# Altium PCB 擂台机器人V1.0.PcbDoc
Units mm, origin at the board's own origin, x right, y up, seen from the top; angles counter-clockwise.
Board outline 80.64 x 54.36 mm, 2 copper layers (Top Layer, Bottom Layer); 33 components, 45 nets, 211 pads, 4 vias.
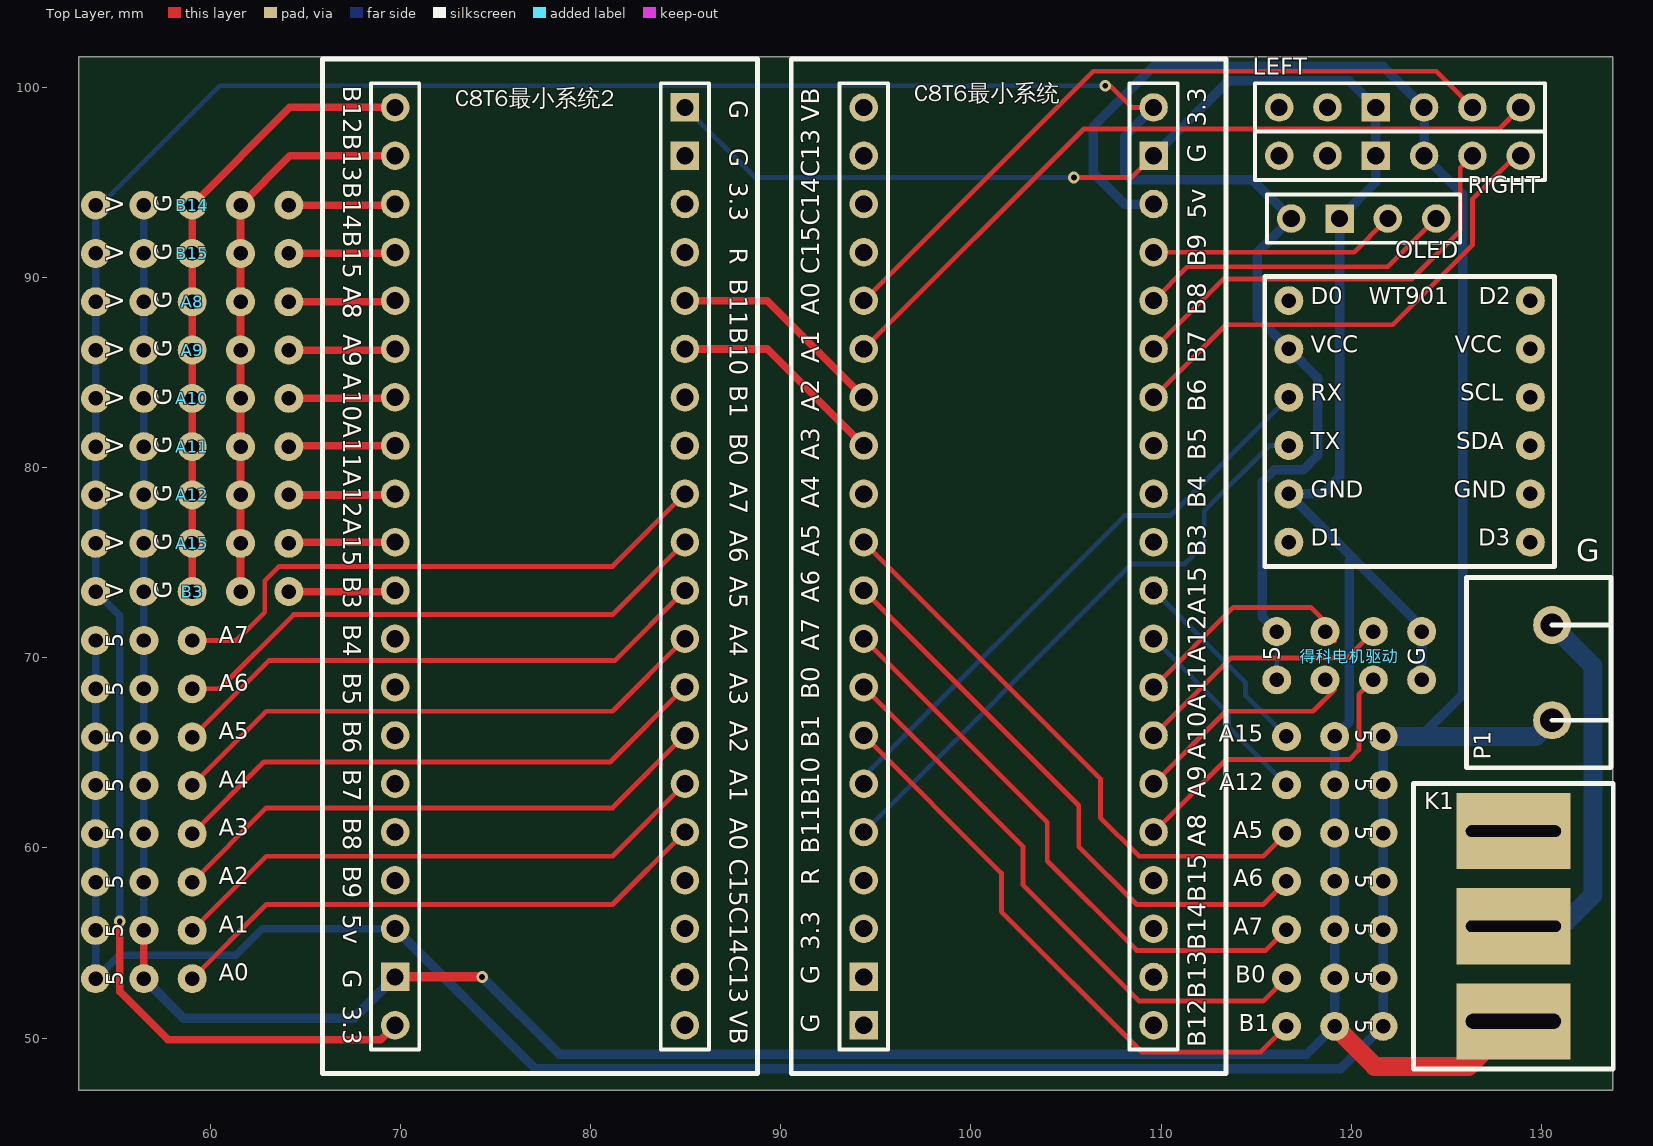
[diagram p0: Top Layer view]
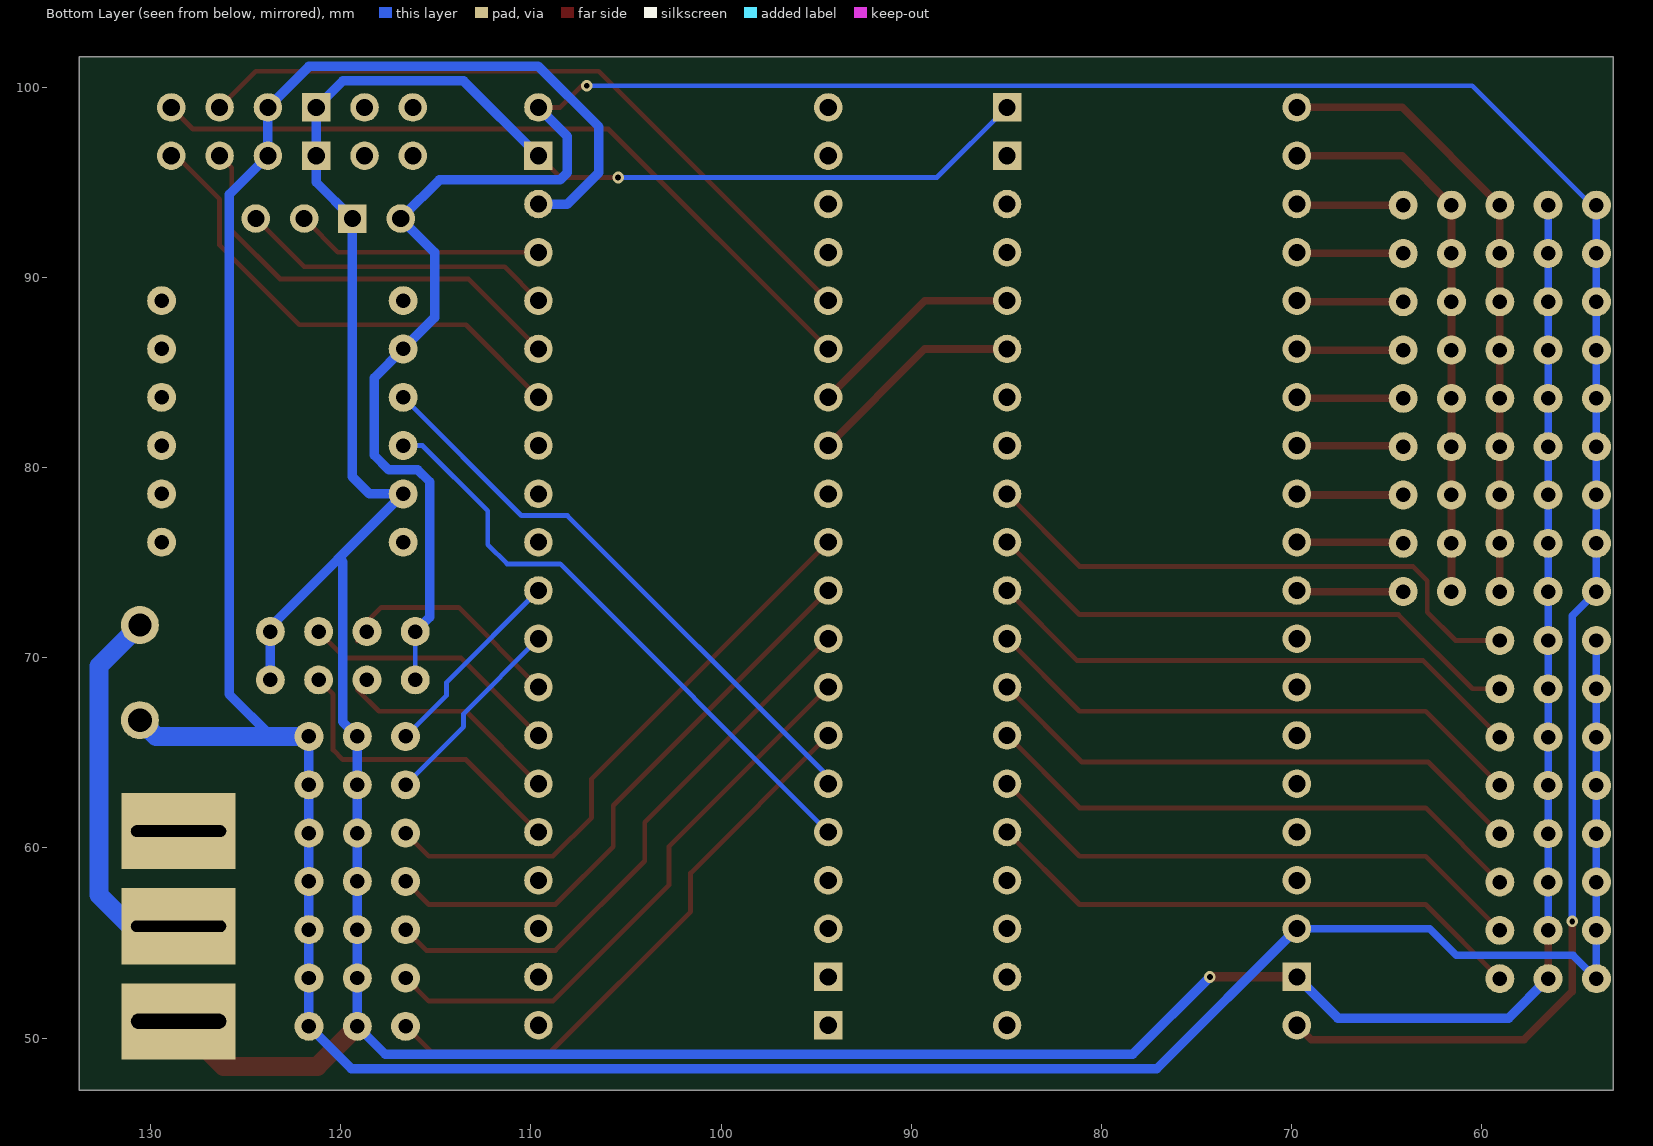
[diagram p1: Bottom Layer view, seen from below]

## Layer stack, top to bottom
Top Solder: solder mask 0.0102, Solder Resist, Dk 3.5
Top Layer: signal copper 0.0356
Dielectric 1: dielectric 0.32, FR-4, Dk 4.8
Bottom Layer: signal copper 0.0356
Bottom Solder: solder mask 0.0102, Solder Resist, Dk 3.5

## Board outline
53.086,47.244 133.731,47.244 133.731,101.6 53.086,101.6

## Design rules (kind name [scope] priority, off if disabled: settings)
Clearance [All] p1: gap=0.254 ignorepadtopadclearanceinfootprint=FALSE except(0: Arc-Hole Track-Hole SMDPad-Hole THPad-Hole Via-Hole Fill-Hole Poly-Hole Region-Hole Text-Hole)
PolygonConnect [All] p1: connectstyle=Relief reliefconductorwidth=0.254 reliefentries=4 polygonreliefangle="90 Angle" airgapwidth=0.254
RoutingVias [All] p1: holewidth=0.711 width=1.27 viastyle="Through Hole" minholewidth=0.711 minwidth=1.27 maxholewidth=0.711 maxwidth=1.27
SolderMaskExpansion [All] p1: expansion=0.102
Width [All] p1: maxlimit=1 minlimit=0.254 preferedwidth=0.254
30 further rules are at their usual default settings.

## Components (designator, comment, footprint, x,y, rotation, side; value= is the part's Value field where it differs from the comment)
A0 "通用3PIN接线端子" 通用3pin插座 56.515,53.124 r90 top (schematic designator A0_S)
A1 "通用3PIN接线端子" 通用3pin插座 56.515,55.664 r90 top (schematic designator A1_S)
A2 "通用3PIN接线端子" 通用3pin插座 56.515,58.204 r90 top (schematic designator A2_S)
A3 "通用3PIN接线端子" 通用3pin插座 56.515,60.744 r90 top (schematic designator A3_S)
A4 "通用3PIN接线端子" 通用3pin插座 56.515,63.284 r90 top (schematic designator A4_S)
A5 "通用3PIN接线端子" 通用3pin插座 56.515,65.824 r90 top (schematic designator A5_S)
A5 "通用3PIN接线端子" 通用3pin插座 119.126,60.779 r270 top
A6 "通用3PIN接线端子" 通用3pin插座 56.515,68.364 r90 top (schematic designator A6_S)
A6 "通用3PIN接线端子" 通用3pin插座 119.126,58.239 r270 top
A7 "通用3PIN接线端子" 通用3pin插座 56.515,70.904 r90 top (schematic designator A7_S)
A7 "通用3PIN接线端子" 通用3pin插座 119.126,55.699 r270 top
A8 "VL530LX" VL53L0X 59.055,88.715 r90 top
A9 "VL530LX" VL53L0X 59.055,86.175 r90 top
A10 "VL530LX" VL53L0X 59.055,83.635 r90 top
A11 "VL530LX" VL53L0X 59.055,81.095 r90 top
A12 "通用3PIN接线端子" 通用3pin插座 119.126,63.319 r270 top
A12 "VL530LX" VL53L0X 59.055,78.555 r90 top
A15 "通用3PIN接线端子" 通用3pin插座 119.126,65.859 r270 top
A15 "VL530LX" VL53L0X 59.055,76.015 r90 top
B0 "通用3PIN接线端子" 通用3pin插座 119.126,53.159 r270 top
B1 "通用3PIN接线端子" 通用3pin插座 119.126,50.619 r270 top
B3 "VL530LX" VL53L0X 59.055,73.475 r90 top
B14 "VL530LX" VL53L0X 59.055,93.795 r90 top
B15 "VL530LX" VL53L0X 59.055,91.255 r90 top
C8T6最小系统 "C8T6最小系统" C8t6 101.981,74.803 r90 top
C8T6最小系统2 "C8T6最小系统" C8t6 77.343,74.803 r270 top
K1 "开关" "船型开关 KCD1-11-2P" 128.524,55.88 r90 top
LEFT "左侧电机" HDR1X6 128.905,98.933 r180 top
OLED "OLED" HDR1X4 116.84,93.091 r0 top
P1 "Header 2" "接线端子 2" 130.556,69.215 r90 top
RIGHT "右侧电机" HDR1X6 128.905,96.393 r180 top
WT901 "WT901" WT901 123.063,82.423 r0 top
得科电机驱动 "得科电机驱动" 得科电机驱动 119.888,70.104 r90 top

## Footprints (in the part's own frame and the unit in brackets; to place one, negate y for a bottom-side part, rotate by r counter-clockwise, add the part's x,y. Pads: shape width x height; smd on the part's side, far side on the other; paste and mask are expansions set on the pad)
C8t6 [mm]
  round 1.5 hole 0.9: 1(-24.13,-7.62) 2(-21.59,-7.62) 3(-19.05,-7.62) 4(-16.51,-7.62) 5(-13.97,-7.62) 6(-11.43,-7.62) 7(-8.89,-7.62) 8(-6.35,-7.62) 9(-3.81,-7.62) 10(-1.27,-7.62) 11(1.27,-7.62) 12(3.81,-7.62) 13(6.35,-7.62) 14(8.89,-7.62) 15(11.43,-7.62) 16(13.97,-7.62) 17(16.51,-7.62) 18(19.05,-7.62) 20(24.13,-7.62) 21(24.13,7.62) 22(21.59,7.62) 23(19.05,7.62) 24(16.51,7.62) 25(13.97,7.62) 26(11.43,7.62) 27(8.89,7.62) 28(6.35,7.62) 29(3.81,7.62) 30(1.27,7.62) 31(-1.27,7.62) 32(-3.81,7.62) 33(-6.35,7.62) 34(-8.89,7.62) 35(-11.43,7.62) 36(-13.97,7.62) 37(-16.51,7.62) 38(-19.05,7.62)
  rect 1.5x1.5 hole 0.9: 19(21.59,-7.62) 39(-21.59,7.62) 40(-24.13,7.62)
  silkscreen extent -26.67,-11.43 26.67,11.43
HDR1X4 [mm] "Connector; Header; 4 Position"
  round 1.5 hole 0.9: 1(0,0) 3(5.08,0) 4(7.62,0)
  rect 1.5x1.5 hole 0.9: 2(2.54,0)
  silkscreen extent -1.27,-1.27 8.89,1.27
HDR1X6 [mm] "Connector; Header; 6 Position"
  round 1.5 hole 0.9: 1(0,0) 2(2.54,0) 3(5.08,0) 5(10.16,0) 6(12.7,0)
  rect 1.5x1.5 hole 0.9: 4(7.62,0)
  silkscreen extent -1.27,-1.27 13.97,1.27
VL53L0X [mil]
  round 60 hole 30: 1(0,200) 2(0,100) 3(0,0) 4(0,-100) 5(0,-200)
WT901 [mil]
  round 60 hole 30: 1(-250,250) 2(-250,150) 3(-250,50) 4(-250,-50) 5(-250,-150) 6(-250,-250) 7(250,250) 8(250,150) 9(250,50) 10(250,-50) 11(250,-150) 12(250,-250)
  silkscreen extent -300,-300 300,300
得科电机驱动 [mil]
  round 60 hole 30: 1(-50,150) 2(-50,50) 3(-50,-50) 4(-50,-150) 5(50,-150) 6(50,-50) 7(50,50) 8(50,150)
"接线端子 2" [mm]
  round 2 hole 1.25: 1(-2.5,0)
  round 2 hole 1.2: 2(2.5,0)
  silkscreen extent -5,-3.1 5,4.5
"船型开关 KCD1-11-2P" [mm]
  rect 4x6 hole 0.8 slot 5 at 90 deg: 1(-5,0)
  rect 4x6 hole 0.6 slot 5 at 90 deg: 2(0,0) 3(5,0)
  silkscreen extent -7.5,-5.25 7.5,5.25
通用3pin插座 [mil]
  round 60 hole 30: 1(0,100) 2(0,0) 3(0,-100)

## Part data
LEFT RIGHT: library part "Header 6", "Header, 6-Pin", LatestRevisionDate=17-Jul-2002, LatestRevisionNote="Re-released for DXP Platform.", Publisher="Altium Limited"
OLED: library part "Header 4", "Header, 4-Pin", LatestRevisionDate=17-Jul-2002, LatestRevisionNote="Re-released for DXP Platform.", Publisher="Altium Limited"
P1: "Header, 2-Pin", LatestRevisionDate=17-Jul-2002, LatestRevisionNote="Re-released for DXP Platform.", Publisher="Altium Limited"

## Via types
v1: diameter 0.61, hole 0.305, Top Layer to Bottom Layer, tented both sides, 4 vias

## Nets (pads, with @x,y where several pads share a name; then routed paths per layer and width w, separated by ;. In a path a pad name is that pad's centre, name@x,y a point inside that pad or via, vN(x,y) a via of type N, cw(c..) or ccw(c..) an arc to the next point about the centre after c; other vN are vias at no path point)
3.3V: A8.1 A9.1 A10.1 A11.1 A12.1@53.975,78.555 A15.1@53.975,76.015 B3.1 B14.1 B15.1 C8T6最小系统2.20 C8T6最小系统.20 OLED.1 WT901.2 得科电机驱动.1 得科电机驱动.8 | length 159
  Top Layer w0.254: v1(107.061,100.076) 107.315,100.076 108.458,98.933 C8T6最小系统.20
  Top Layer w0.4: v1(55.245,56.134) 55.245,52.451 57.785,49.911 68.961,49.911 C8T6最小系统2.20
  Bottom Layer w0.254: B14.1 54.229,93.795 60.51,100.076 v1(107.061,100.076) ; 得科电机驱动.1 得科电机驱动.8
  Bottom Layer w0.4: B14.1 B15.1 A8.1 A9.1 A10.1 A11.1 53.975,78.555 53.975,76.015 B3.1 55.245,72.205 v1(55.245,56.134)
  Bottom Layer w0.5: C8T6最小系统.20 108.077,97.409 108.077,95.504 108.458,95.123 114.808,95.123 116.713,93.218 OLED.1@116.713,92.964 ; 得科电机驱动.8 115.316,72.136 115.316,79.248 115.951,79.883 117.475,79.883 118.237,80.645 118.237,84.709 WT901.2 115.062,87.884 115.062,91.313 OLED.1@116.713,92.964 ; OLED.1 OLED.1@116.713,92.964
5V: A0.1 A1.1 A2.1 A3.1 A4.1 A5.1 A6.1 A7.1 A12.1@121.666,63.319 A15.1@121.666,65.859 B0.1 B1.1 C8T6最小系统2.18 C8T6最小系统.18 LEFT.3 P1.1 RIGHT.3 | length 175.7
  Bottom Layer w0.4: A7.1@53.975,70.904 53.975,68.364 53.975,65.824 A4.1 A3.1 A2.1 A1.1 A0.1 55.207,54.356 61.341,54.356 62.738,55.753 C8T6最小系统2.18
  Bottom Layer w0.5: C8T6最小系统2.18 77.089,48.387 119.434,48.387 B1.1 B0.1 121.666,55.699 121.666,58.239 121.666,60.779 121.666,63.319 A15.1@121.666,65.859 ; C8T6最小系统.18 108.077,93.853 106.426,95.504 106.426,97.917 109.601,101.092 121.666,101.092 LEFT.3 RIGHT.3 125.857,94.361 125.857,68.072 123.644,65.859
  Bottom Layer w1: A15.1@121.666,65.859 123.644,65.859 129.7,65.859 P1.1
A0_S: A0.3 C8T6最小系统2.25 | length 29.1
  Top Layer w0.254: A0.3 62.954,57.023 81.153,57.023 C8T6最小系统2.25
A1_S: A1.3 C8T6最小系统2.26 | length 29.1
  Top Layer w0.254: A1.3 62.954,59.563 81.153,59.563 C8T6最小系统2.26
A2_M: C8T6最小系统2.36 C8T6最小系统.27 | length 11.5
  Top Layer w0.4: C8T6最小系统2.36 89.281,88.773 C8T6最小系统.27
A2_S: A2.3 C8T6最小系统2.27 | length 29.1
  Top Layer w0.254: A2.3 62.954,62.103 81.153,62.103 C8T6最小系统2.27
A3_M: C8T6最小系统2.35 C8T6最小系统.28 | length 11.5
  Top Layer w0.4: C8T6最小系统2.35 89.281,86.233 C8T6最小系统.28
A3_S: A3.3 C8T6最小系统2.28 | length 29.1
  Top Layer w0.254: A3.3 62.827,64.516 81.026,64.516 C8T6最小系统2.28
A4_S: A4.3 C8T6最小系统2.29 | length 29.1
  Top Layer w0.254: A4.3 62.954,67.183 81.153,67.183 C8T6最小系统2.29
A5_S: A5.3@59.055,65.824 C8T6最小系统2.30 | length 29.1
  Top Layer w0.254: A5.3@59.055,65.824 63.081,69.85 81.28,69.85 C8T6最小系统2.30
A6_S: A6.3@59.055,68.364 C8T6最小系统2.31 | length 29.1
  Top Layer w0.254: A6.3@59.055,68.364 60.49,68.364 64.389,72.263 81.153,72.263 C8T6最小系统2.31
A7_S: A7.3@59.055,70.904 C8T6最小系统2.32 | length 30.1
  Top Layer w0.254: A7.3@59.055,70.904 61.379,70.904 62.865,72.39 62.865,74.041 63.627,74.803 81.153,74.803 C8T6最小系统2.32
A8_S: A8.5 C8T6最小系统2.5 | length 5.6
  Top Layer w0.4: A8.5 69.665,88.715 C8T6最小系统2.5
A9_S: A9.5 C8T6最小系统2.6 | length 5.6
  Top Layer w0.4: A9.5 69.665,86.175 C8T6最小系统2.6
A10_S: A10.5 C8T6最小系统2.7 | length 5.6
  Top Layer w0.4: A10.5 69.665,83.635 C8T6最小系统2.7
A11_S: A11.5 C8T6最小系统2.8 | length 5.6
  Top Layer w0.4: A11.5 64.193,81.153 C8T6最小系统2.8
A12: A12.3@116.586,63.319 C8T6最小系统.9 | length 10.6
  Bottom Layer w0.254: C8T6最小系统.9 113.538,67.056 113.538,66.367 A12.3@116.586,63.319
A12_S: A12.5 C8T6最小系统2.9 | length 5.6
  Top Layer w0.4: A12.5 69.665,78.555 C8T6最小系统2.9
A15: A15.3@116.586,65.859 C8T6最小系统.10 | length 10.6
  Bottom Layer w0.254: C8T6最小系统.10 114.427,68.707 114.427,68.018 A15.3@116.586,65.859
A15_S: A15.5 C8T6最小系统2.10 | length 5.6
  Top Layer w0.4: A15.5 64.193,76.073 C8T6最小系统2.10
AIN5: A5.3@116.586,60.779 C8T6最小系统.30 | length 30.8
  Top Layer w0.254: C8T6最小系统.30 106.807,63.627 106.807,61.595 108.839,59.563 115.37,59.563 A5.3@116.586,60.779
AIN6: A6.3@116.586,58.239 C8T6最小系统.31 | length 30.8
  Top Layer w0.254: C8T6最小系统.31 105.664,62.23 105.664,60.071 108.712,57.023 115.37,57.023 A6.3@116.586,58.239
AIN7: A7.3@116.586,55.699 C8T6最小系统.32 | length 30.7
  Top Layer w0.254: C8T6最小系统.32 104.013,61.341 104.013,59.309 108.712,54.61 115.497,54.61 A7.3@116.586,55.699
B0: B0.3 C8T6最小系统.33 | length 30.8
  Top Layer w0.254: C8T6最小系统.33 102.743,60.071 102.743,58.039 108.839,51.943 115.37,51.943 B0.3
B1: B1.3 C8T6最小系统.34 | length 30.9
  Top Layer w0.254: C8T6最小系统.34 101.6,58.674 101.6,56.642 108.966,49.276 115.243,49.276 B1.3
B3_S: B3.5 C8T6最小系统2.11 | length 5.6
  Top Layer w0.4: B3.5 69.665,73.475 C8T6最小系统2.11
B14_S: B14.5 C8T6最小系统2.3 | length 5.6
  Top Layer w0.4: B14.5 69.665,93.795 C8T6最小系统2.3
B15_S: B15.5 C8T6最小系统2.4 | length 5.6
  Top Layer w0.4: B15.5 69.665,91.255 C8T6最小系统2.4
BAT: C8T6最小系统.29
EN1: C8T6最小系统.25 LEFT.2 | length 37.8
  Top Layer w0.254: C8T6最小系统.25 106.426,100.838 124.46,100.838 LEFT.2
EN2: C8T6最小系统.26 LEFT.1 | length 39.8
  Top Layer w0.254: C8T6最小系统.26 105.918,97.79 127.762,97.79 LEFT.1
EN3: C8T6最小系统.14 RIGHT.1 | length 26
  Top Layer w0.254: C8T6最小系统.14 113.411,87.503 122.174,87.503 126.365,91.694 126.365,94.107 128.651,96.393 RIGHT.1
EN4: C8T6最小系统.15 RIGHT.2 | length 22.9
  Top Layer w0.254: C8T6最小系统.15 113.284,89.916 123.19,89.916 125.73,92.456 125.73,95.758 RIGHT.2
GND: A0.2 A1.2 A2.2 A3.2 A4.2 A5.2 A6.2 A7.2 A8.2 A9.2 A10.2 A11.2 A12.2 A15.2 B0.2 B1.2 B3.2 B14.2 B15.2 C8T6最小系统2.19 C8T6最小系统2.40 C8T6最小系统.19 K1.1 LEFT.4 OLED.2 RIGHT.4 WT901.5 得科电机驱动.4 得科电机驱动.5 | length 219.8
  Top Layer w0.254: v1(105.41,95.25) 108.458,95.25 C8T6最小系统.19
  Top Layer w0.4: A0.2 A1.2
  Top Layer w0.5: C8T6最小系统2.19 v1(74.295,53.213)
  Top Layer w1: B1.2 121.231,48.514 126.158,48.514 K1.1
  Bottom Layer w0.254: C8T6最小系统2.40 88.646,95.25 v1(105.41,95.25)
  Bottom Layer w0.4: A1.2 A2.2 A3.2 A4.2 56.515,65.824 56.515,68.364 56.515,70.904 B3.2 56.515,76.015 56.515,78.555 A11.2 A10.2 A9.2 A8.2 B15.2 B14.2
  Bottom Layer w0.5: A0.2 58.585,51.054 67.564,51.054 C8T6最小系统2.19 ; v1(74.295,53.213) 78.359,49.149 117.656,49.149 B1.2 B0.2 119.126,55.699 119.126,58.239 119.126,60.779 119.126,63.319 119.126,65.859 119.888,66.621 119.888,75.057 ; C8T6最小系统.19 113.538,100.33 119.888,100.33 LEFT.4 RIGHT.4 121.285,94.996 OLED.2 119.38,79.502 118.491,78.613 WT901.5 123.698,71.628 得科电机驱动.5 得科电机驱动.4
IMUR: C8T6最小系统.36 WT901.4 | length 31.8
  Bottom Layer w0.254: C8T6最小系统.36 108.458,74.93 111.252,74.93 112.268,75.946 112.268,77.724 115.697,81.153 WT901.4
IMUT: C8T6最小系统.35 WT901.3 | length 31
  Bottom Layer w0.254: C8T6最小系统.35 94.361,63.754 108.077,77.47 110.49,77.47 WT901.3
NetK1_2: K1.2 P1.2 | length 20
  Bottom Layer w1: K1.2 131.064,55.88 132.715,57.531 132.715,69.556 P1.2
PWM1: C8T6最小系统.5 得科电机驱动.3 | length 16.6
  Top Layer w0.254: C8T6最小系统.5 113.411,64.643 119.888,64.643 120.396,65.151 120.396,68.072 得科电机驱动.3
PWM2: C8T6最小系统.6 得科电机驱动.2 | length 11.6
  Top Layer w0.254: C8T6最小系统.6 113.411,67.183 117.983,67.183 得科电机驱动.2@119.126,68.326
PWM3: C8T6最小系统.7 得科电机驱动.6 | length 13.8
  Top Layer w0.254: C8T6最小系统.7 113.665,69.977 119.761,69.977 得科电机驱动.6
PWM4: C8T6最小系统.8 得科电机驱动.7 | length 12.3
  Top Layer w0.254: C8T6最小系统.8 113.792,72.644 117.856,72.644 119.126,71.374 得科电机驱动.7@119.126,70.866
SCL: A8.3 A9.3 A10.3 A11.3 A12.3@59.055,78.555 A15.3@59.055,76.015 B3.3 B14.3 B15.3 C8T6最小系统2.1 | length 33.1
  Top Layer w0.4: B3.3 59.055,76.015 59.055,78.555 A11.3 A10.3 A9.3 A8.3 B15.3 B14.3 64.193,98.933 C8T6最小系统2.1
SCL_OLED: C8T6最小系统.17 OLED.3 | length 12.9
  Top Layer w0.254: C8T6最小系统.17 120.142,91.313 OLED.3@121.793,92.964
SDA: A8.4 A9.4 A10.4 A11.4 A12.4 A15.4 B3.4 B14.4 B15.4 C8T6最小系统2.2 | length 29.5
  Top Layer w0.4: B3.4 A15.4 A12.4 A11.4 A10.4 A9.4 A8.4 B15.4 B14.4 64.193,96.393 C8T6最小系统2.2
SDA_OLED: C8T6最小系统.16 OLED.4 | length 16.5
  Top Layer w0.254: C8T6最小系统.16 111.379,90.551 121.92,90.551 OLED.4@124.333,92.964
pads on no net: C8T6最小系统2.12 C8T6最小系统2.13 C8T6最小系统2.14 C8T6最小系统2.15 C8T6最小系统2.16 C8T6最小系统2.17 C8T6最小系统2.21 C8T6最小系统2.22 C8T6最小系统2.23 C8T6最小系统2.24 C8T6最小系统2.33 C8T6最小系统2.34 C8T6最小系统2.37 C8T6最小系统2.38 C8T6最小系统2.39 C8T6最小系统.1 C8T6最小系统.2 C8T6最小系统.3 C8T6最小系统.4 C8T6最小系统.11 C8T6最小系统.12 C8T6最小系统.13 C8T6最小系统.21 C8T6最小系统.22 C8T6最小系统.23 C8T6最小系统.24 C8T6最小系统.37 C8T6最小系统.38 C8T6最小系统.39 C8T6最小系统.40 K1.3 LEFT.5 LEFT.6 RIGHT.5 RIGHT.6 WT901.1 WT901.6 WT901.7 WT901.8 WT901.9 WT901.10 WT901.11 WT901.12

## Silkscreen, mask and mechanical layers (free items; w line width, h text height)
Top Overlay:
  text "G" at 131.826,74.676 h2
Mechanical 1:
  the board outline again, w0.254

## Text inside footprints (layer, text, board x,y; h text height)
A0: Top Overlay "5" at 55.753,52.743 h1.52 r90
A1: Top Overlay "5" at 55.753,55.283 h1.52 r90
A2: Top Overlay "5" at 55.753,57.823 h1.52 r90
A3: Top Overlay "5" at 55.753,60.363 h1.52 r90
A4: Top Overlay "5" at 55.753,62.903 h1.52 r90
A5: Top Overlay "5" at 55.753,65.443 h1.52 r90
A5: Top Overlay "5" at 119.888,61.16 h1.52 r270
A6: Top Overlay "5" at 55.753,67.983 h1.52 r90
A6: Top Overlay "5" at 119.888,58.62 h1.52 r270
A7: Top Overlay "5" at 55.753,70.523 h1.52 r90
A7: Top Overlay "5" at 119.888,56.08 h1.52 r270
A8: Top Overlay "G" at 58.293,88.334 h1.52 r90; Top Overlay "V" at 55.753,88.334 h1.52 r90
A9: Top Overlay "G" at 58.293,85.794 h1.52 r90; Top Overlay "V" at 55.753,85.794 h1.52 r90
A10: Top Overlay "G" at 58.293,83.254 h1.52 r90; Top Overlay "V" at 55.753,83.254 h1.52 r90
A11: Top Overlay "G" at 58.293,80.714 h1.52 r90; Top Overlay "V" at 55.753,80.714 h1.52 r90
A12: Top Overlay "5" at 119.888,63.7 h1.52 r270
A12: Top Overlay "G" at 58.293,78.174 h1.52 r90; Top Overlay "V" at 55.753,78.174 h1.52 r90
A15: Top Overlay "5" at 119.888,66.24 h1.52 r270
A15: Top Overlay "G" at 58.293,75.634 h1.52 r90; Top Overlay "V" at 55.753,75.634 h1.52 r90
B0: Top Overlay "5" at 119.888,53.54 h1.52 r270
B1: Top Overlay "5" at 119.888,51 h1.52 r270
B3: Top Overlay "G" at 58.293,73.094 h1.52 r90; Top Overlay "V" at 55.753,73.094 h1.52 r90
B14: Top Overlay "G" at 58.293,93.414 h1.52 r90; Top Overlay "V" at 55.753,93.414 h1.52 r90
B15: Top Overlay "G" at 58.293,90.874 h1.52 r90; Top Overlay "V" at 55.753,90.874 h1.52 r90
C8T6最小系统: Top Overlay "G" at 92.329,50.292 h1.6 r90; Top Overlay "G" at 92.329,52.832 h1.6 r90; Top Overlay "3.3" at 92.329,54.61 h1.6 r90; Top Overlay "R" at 92.329,58.039 h1.6 r90; Top Overlay "A4" at 92.329,77.851 h1.6 r90; Top Overlay "A3" at 92.329,80.391 h1.6 r90; Top Overlay "A2" at 92.329,82.931 h1.6 r90; Top Overlay "A1" at 92.329,85.471 h1.6 r90; Top Overlay "A0" at 92.329,88.011 h1.6 r90; Top Overlay "C15" at 92.329,90.17 h1.6 r90; Top Overlay "C14" at 92.329,92.71 h1.6 r90; Top Overlay "C13" at 92.329,95.25 h1.6 r90; Top Overlay "VB" at 92.329,98.171 h1.6 r90; Top Overlay "B11" at 92.329,59.69 h1.6 r90; Top Overlay "B10" at 92.329,62.23 h1.6 r90; Top Overlay "B1" at 92.329,65.278 h1.6 r90; Top Overlay "B0" at 92.329,67.818 h1.6 r90; Top Overlay "A7" at 92.329,70.358 h1.6 r90; Top Overlay "A6" at 92.329,72.898 h1.6 r90; Top Overlay "A5" at 92.329,75.311 h1.6 r90; Top Overlay "B3" at 112.649,75.311 h1.6 r90; Top Overlay "A15" at 112.649,72.263 h1.6 r90; Top Overlay "A12" at 112.649,69.723 h1.6 r90; Top Overlay "A11" at 112.649,67.183 h1.6 r90; Top Overlay "A10" at 112.649,64.643 h1.6 r90; Top Overlay "A9" at 112.649,62.611 h1.6 r90; Top Overlay "A8" at 112.649,60.071 h1.6 r90; Top Overlay "3.3" at 112.649,97.917 h1.6 r90; Top Overlay "G" at 112.649,96.012 h1.6 r90; Top Overlay "5v" at 112.649,93.091 h1.6 r90; Top Overlay "B9" at 112.649,90.551 h1.6 r90; Top Overlay "B8" at 112.649,88.011 h1.6 r90; Top Overlay "B7" at 112.649,85.471 h1.6 r90; Top Overlay "B6" at 112.649,82.931 h1.6 r90; Top Overlay "B5" at 112.649,80.391 h1.6 r90; Top Overlay "B4" at 112.649,77.851 h1.6 r90; Top Overlay "A8" at 112.649,60.071 h1.6 r90; Top Overlay "B15" at 112.649,57.15 h1.6 r90; Top Overlay "B14" at 112.649,54.61 h1.6 r90; Top Overlay "B13" at 112.649,52.07 h1.6 r90; Top Overlay "B12" at 112.649,49.53 h1.6 r90
C8T6最小系统2: Top Overlay "G" at 86.995,99.314 h1.6 r270; Top Overlay "G" at 86.995,96.774 h1.6 r270; Top Overlay "3.3" at 86.995,94.996 h1.6 r270; Top Overlay "R" at 86.995,91.567 h1.6 r270; Top Overlay "A4" at 86.995,71.755 h1.6 r270; Top Overlay "A3" at 86.995,69.215 h1.6 r270; Top Overlay "A2" at 86.995,66.675 h1.6 r270; Top Overlay "A1" at 86.995,64.135 h1.6 r270; Top Overlay "A0" at 86.995,61.595 h1.6 r270; Top Overlay "C15" at 86.995,59.436 h1.6 r270; Top Overlay "C14" at 86.995,56.896 h1.6 r270; Top Overlay "C13" at 86.995,54.356 h1.6 r270; Top Overlay "VB" at 86.995,51.435 h1.6 r270; Top Overlay "B11" at 86.995,89.916 h1.6 r270; Top Overlay "B10" at 86.995,87.376 h1.6 r270; Top Overlay "B1" at 86.995,84.328 h1.6 r270; Top Overlay "B0" at 86.995,81.788 h1.6 r270; Top Overlay "A7" at 86.995,79.248 h1.6 r270; Top Overlay "A6" at 86.995,76.708 h1.6 r270; Top Overlay "A5" at 86.995,74.295 h1.6 r270; Top Overlay "B3" at 66.675,74.295 h1.6 r270; Top Overlay "A15" at 66.675,77.343 h1.6 r270; Top Overlay "A12" at 66.675,79.883 h1.6 r270; Top Overlay "A11" at 66.675,82.423 h1.6 r270; Top Overlay "A10" at 66.675,84.963 h1.6 r270; Top Overlay "A9" at 66.675,86.995 h1.6 r270; Top Overlay "A8" at 66.675,89.535 h1.6 r270; Top Overlay "3.3" at 66.675,51.689 h1.6 r270; Top Overlay "G" at 66.675,53.594 h1.6 r270; Top Overlay "5v" at 66.675,56.515 h1.6 r270; Top Overlay "B9" at 66.675,59.055 h1.6 r270; Top Overlay "B8" at 66.675,61.595 h1.6 r270; Top Overlay "B7" at 66.675,64.135 h1.6 r270; Top Overlay "B6" at 66.675,66.675 h1.6 r270; Top Overlay "B5" at 66.675,69.215 h1.6 r270; Top Overlay "B4" at 66.675,71.755 h1.6 r270; Top Overlay "A8" at 66.675,89.535 h1.6 r270; Top Overlay "B15" at 66.675,92.456 h1.6 r270; Top Overlay "B14" at 66.675,94.996 h1.6 r270; Top Overlay "B13" at 66.675,97.536 h1.6 r270; Top Overlay "B12" at 66.675,100.076 h1.6 r270
WT901: Top Overlay "D1" at 117.856,75.565 h1.52; Top Overlay "GND" at 117.856,78.105 h1.52; Top Overlay "TX" at 117.856,80.645 h1.52; Top Overlay "RX" at 117.856,83.185 h1.52; Top Overlay "VCC" at 117.856,85.725 h1.52; Top Overlay "D0" at 117.856,88.265 h1.52; Top Overlay "D3" at 126.681,75.565 h1.52; Top Overlay "GND" at 125.373,78.105 h1.52; Top Overlay "SDA" at 125.514,80.645 h1.52; Top Overlay "SCL" at 125.715,83.185 h1.52; Top Overlay "VCC" at 125.437,85.725 h1.52; Top Overlay "D2" at 126.69,88.265 h1.52
得科电机驱动: Top Overlay "G" at 124.206,69.596 h1.52 r90; Top Overlay "5" at 116.586,69.85 h1.52 r90